# Altium PCB hv_controller.PcbDoc (part 2 of 3)
Units mil, origin at the board's own origin, x right, y up, seen from the top; angles counter-clockwise.
Board outline 9380 x 6000 mil, 2 copper layers (Top Layer, Bottom Layer); 271 components, 136 nets, 744 pads, 173 vias.
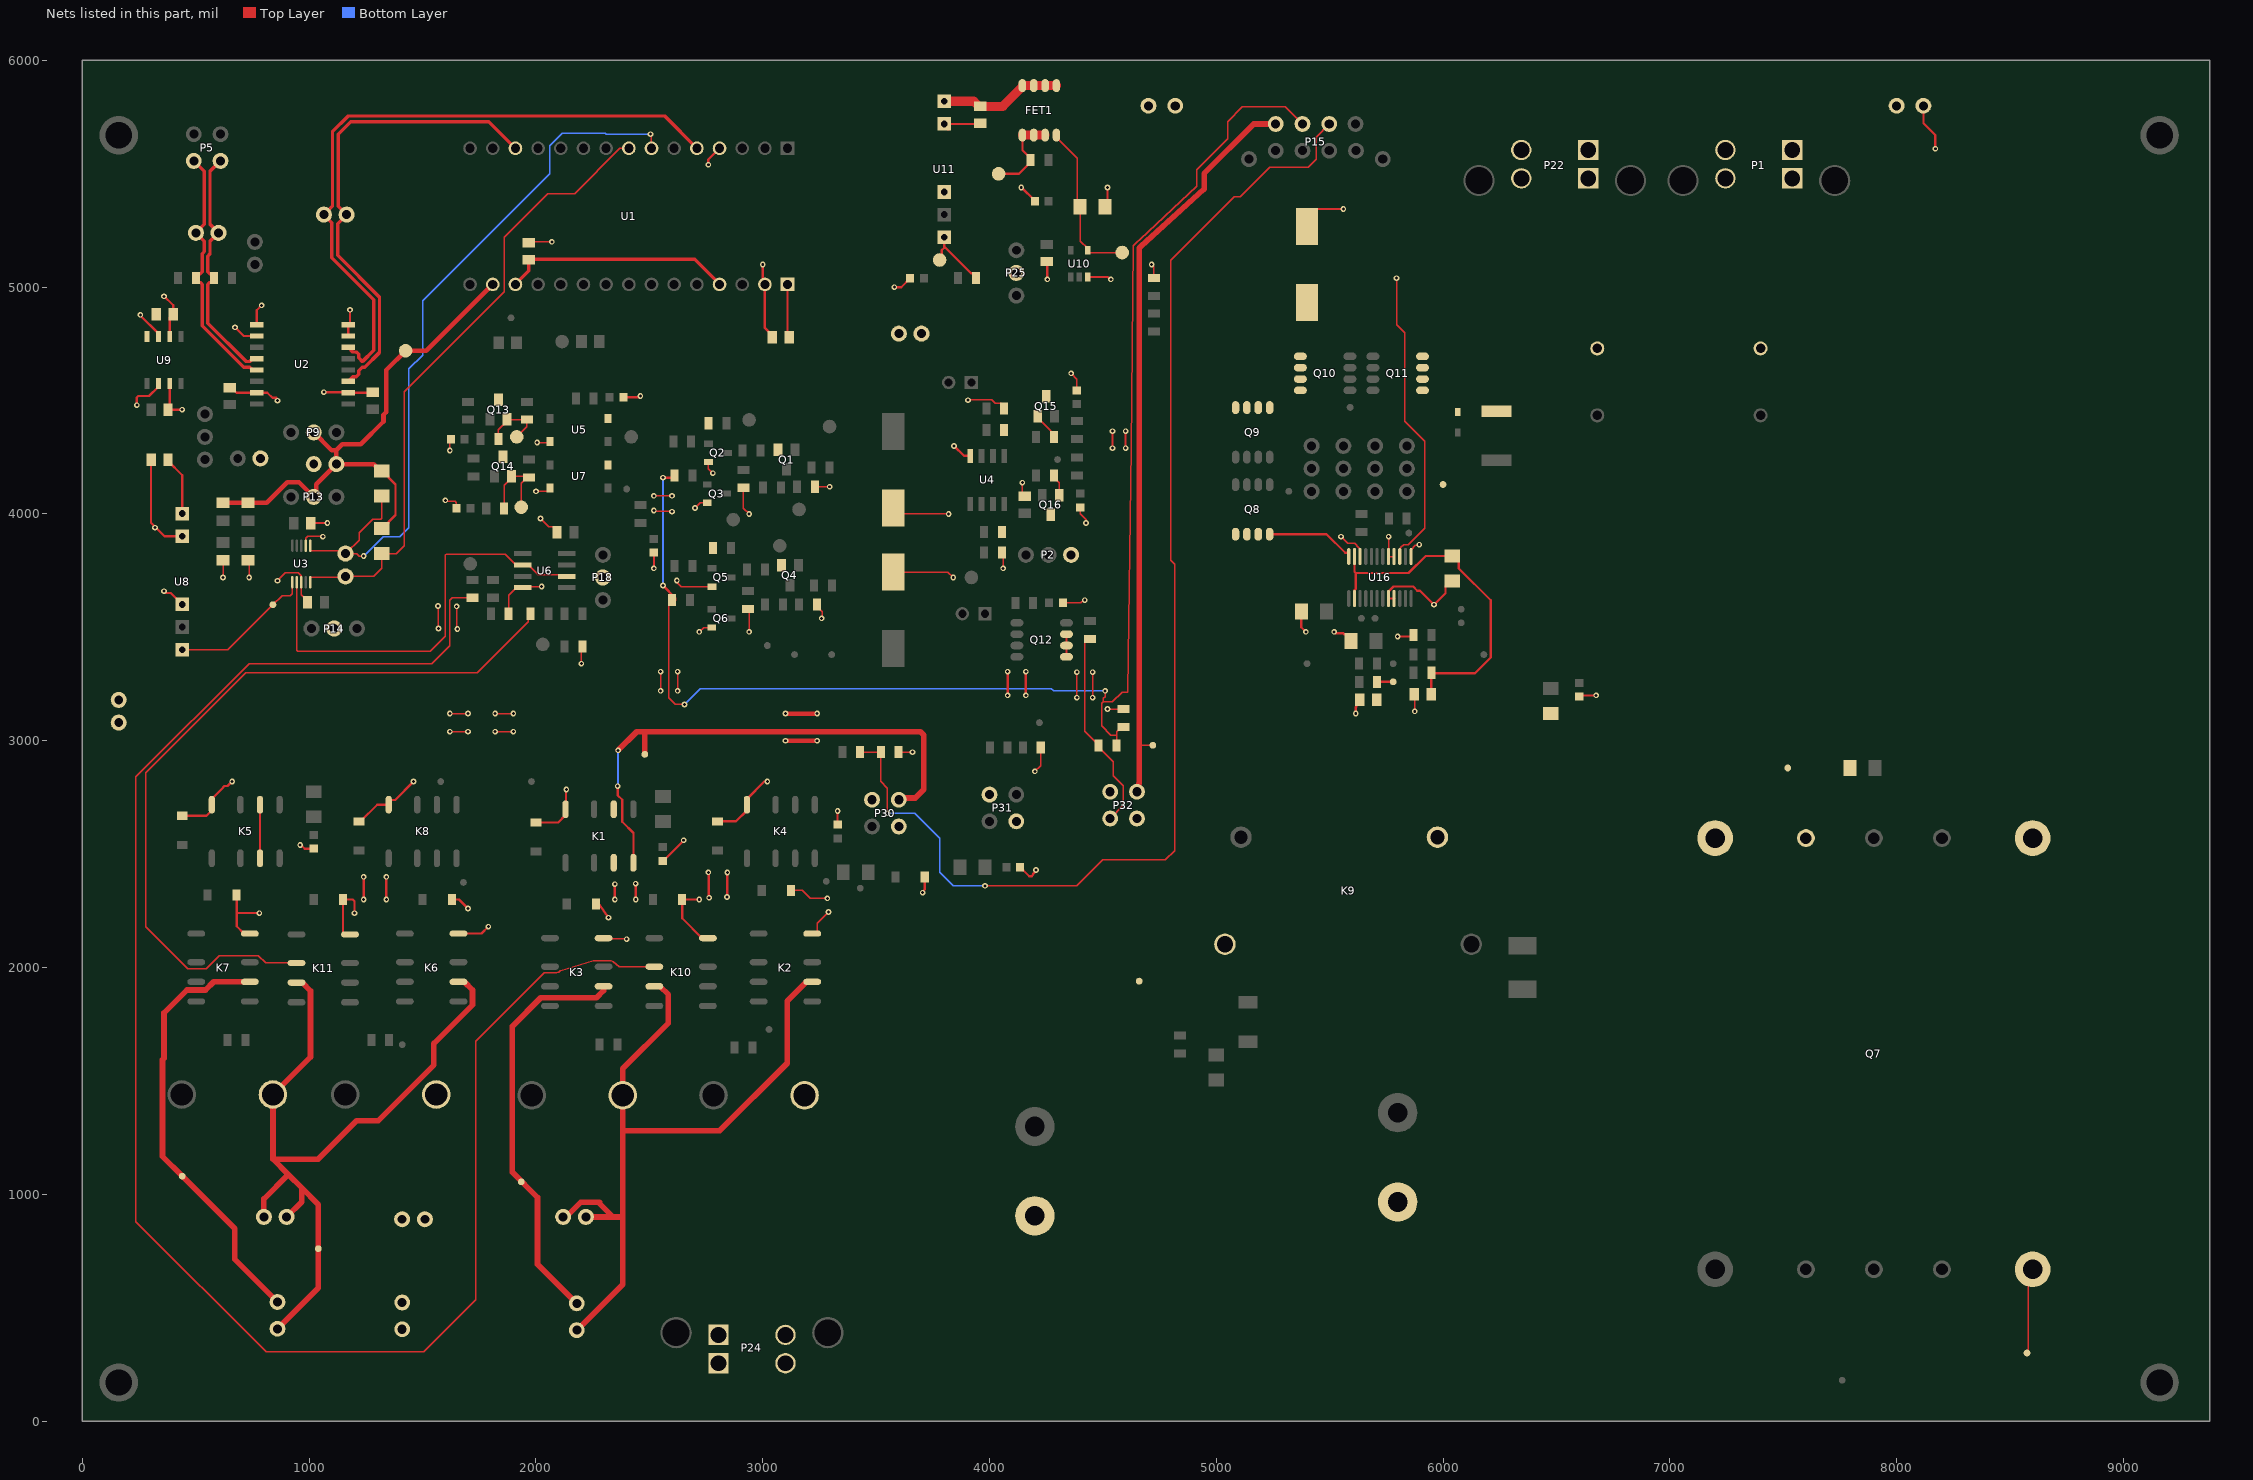
[diagram p2: the nets of this part, all layers, seen from the top]

## Part data (continued)
P5 P30 P31 P32: "Board Connector, 4 Contact(s), 2 Row(s), Male, Straight, Solder Terminal, Locking, Black Insulator, Receptacle", Contact Resistance=10mR, Flammability Rating="UL94 V-0", Insulation Color=Black, Insulation Resistance=1GR, Manufacturer=Molex, Max Operating Temperature=105°C, Min Operating Temperature=-40°C, Rated Current (Signal)=2.5A, Supplier Part Number 1=WM10667-ND, Board Mounting Option=PEG, Body Breadth=0.29inch, Body Depth=0.39inch, Body Length=0.38inch, Body/Shell Style=RECEPTACLE, Category="Headers and Wire Housings", ComponentLink1Description=https://datasheet.ciiva.com:443/pdfs/VipMasterIC/IC/MOLE/MOLE-S-A0001360181/MOLE-S-A0001399497-1.pdf?src-supplier=IHS+Markit, ComponentLink1URL=https://datasheet.ciiva.com:443/pdfs/VipMasterIC/IC/MOLE/MOLE-S-A0001360181/MOLE-S-A0001399497-1.pdf?src-supplier=IHS+Markit, ComponentLink2Description=https://datasheet.ciiva.com/5148/0430450427-pcb-headers-142988-5148953.pdf?src-supplier=Mouser, ComponentLink2URL=https://datasheet.ciiva.com/5148/0430450427-pcb-headers-142988-5148953.pdf?src-supplier=Mouser, ComponentLink3Description=https://datasheet.ciiva.com/11748/0900766b80d4a80b-11748554.pdf?src-supplier=RSComponents, ComponentLink3URL=https://datasheet.ciiva.com/11748/0900766b80d4a80b-11748554.pdf?src-supplier=RSComponents, ComponentLink4Description=https://datasheet.ciiva.com/30143/176090430450427-pcb-headers-30143652.pdf?src-supplier=Onlinecomponents.com, ComponentLink4URL=https://datasheet.ciiva.com/30143/176090430450427-pcb-headers-30143652.pdf?src-supplier=Onlinecomponents.com, ComponentLink5Description=https://datasheet.ciiva.com/16725/0430450427-pcb-headers-16725499.pdf?src-supplier=Avnet+Europe, ComponentLink5URL=https://datasheet.ciiva.com/16725/0430450427-pcb-headers-16725499.pdf?src-supplier=Avnet+Europe, ComponentLink6Description=https://datasheet.ciiva.com/10088/0430450427-pcb-headers-10088767.pdf?src-supplier=Avnet, ComponentLink6URL=https://datasheet.ciiva.com/10088/0430450427-pcb-headers-10088767.pdf?src-supplier=Avnet, Connector Type="BOARD CONNECTOR", Contact Finish - Mating="TIN (100) OVER NICKEL", Contact Finish - Termination="TIN (100) OVER NICKEL", Contact Gender=Male, Contact Material=Brass, Contact Style="SQ PIN-SKT", DIN Conformance=No, Filter Feature=No, IEC Conformance=No, Insertion Force-Max=8.0064N, Insulation Material=Polymer, JESD-609 Code=e3, Manufacturer Part Number=43045-0427, Mating Information="MULTIPLE MATING PARTS AVAILABLE", MIL Conformance=No, Mixed Contacts=No, Mount=Board, Mounting Option 1=LOCKING, Mounting Style=STRAIGHT, Number Of Connectors=1, Number of Contacts=4, Number of Rows Loaded=2, Option="General Purpose", Plating Thickness=6uin, Pricing 1="1=1.45000, 10=1.23200, 80=1.01750, 2232=0.77647, 4464=0.74970 (USD)", REACH SVHC=Yes, Reference Standard=UL, Reliability=COMMERCIAL, RoHS=Yes, RoHS Compliant=Yes, Stock 1=18088, Supplier 1=Digi-Key, Terminal Length=0.125inch, Terminal Pitch=3mm, Termination=Solder, Throw Configuration=S0P4, Withdrawl Force-Min=3.5584N
P15: library part CMP-002-00093-1, "CONN HEADER VERT 8POS 3MM", Color=Black, Contact Resistance=10mR, Manufacturer=Molex, Max Operating Temperature=105°C, Min Operating Temperature=-40°C, Package Quantity=1440, Voltage Rating=250V, ComponentLink1Description=http://www.molex.com/pdm_docs/sd/430450827_sd.pdf?src-supplier=Digi-Key, ComponentLink1URL=http://www.molex.com/pdm_docs/sd/430450827_sd.pdf?src-supplier=Digi-Key, Connector Type="Male Pin", Contact Material=Brass, Contact Plating=Tin, Depth=8.77mm, Design Item ID=0430450827, Fastening Type=Ramp, Housing Color=Black, Housing Material=Polymer, Length=16.15mm, Manufacturer Part Number=0430450827, Mount="Through Hole", Number of Contacts=8, Number of Positions=8, Number of Rows=2, Orientation=Straight, Packaging=Tray, Pitch=3mm, Pricing 1="1=1.67, 10=1.519, 25=1.4256, 50=1.3636, 100=1.3016, 250=1.17764, 500=1.08466, 1000=0.9297, 2500=0.86772 (USD)", Row Spacing=0.118inch, Source=connector.SchLib, Stock 1=5300, Termination=Solder
P19 P35: "Header, 2-Pin", LatestRevisionDate=17-Jul-2002, LatestRevisionNote="Re-released for DXP Platform.", Publisher="Altium Limited"
P20 P21 P23: library part CMP-002-00096-1, "Board Connector, 2 Contact(s), 2 Row(s), Male, Straight, Solder Terminal, Locking, Black Insulator, Receptacle", Contact Resistance=10mR, Flammability Rating="UL94 V-0", Insulation Color=Black, Insulation Resistance=1GR, Manufacturer=Molex, Max Operating Temperature=105°C, Min Operating Temperature=-40°C, Rated Current (Signal)=2.5A, Board Mounting Option=PEG, Body Breadth=0.29inch, Body Depth=0.39inch, Body Length=0.262inch, Body/Shell Style=RECEPTACLE, Category="Headers and Wire Housings", ComponentLink1Description=https://datasheet.ciiva.com:443/pdfs/VipMasterIC/IC/MOLE/MOLE-S-A0001360181/MOLE-S-A0001399497-1.pdf?src-supplier=IHS+Markit, ComponentLink1URL=https://datasheet.ciiva.com:443/pdfs/VipMasterIC/IC/MOLE/MOLE-S-A0001360181/MOLE-S-A0001399497-1.pdf?src-supplier=IHS+Markit, ComponentLink2Description=https://datasheet.ciiva.com/5148/0430450227-pcb-headers-142611-5148694.pdf?src-supplier=Mouser, ComponentLink2URL=https://datasheet.ciiva.com/5148/0430450227-pcb-headers-142611-5148694.pdf?src-supplier=Mouser, ComponentLink3Description=https://datasheet.ciiva.com/16103/307170430450227-pcb-headers-16103122.pdf?src-supplier=Onlinecomponents.com, ComponentLink3URL=https://datasheet.ciiva.com/16103/307170430450227-pcb-headers-16103122.pdf?src-supplier=Onlinecomponents.com, ComponentLink4Description=https://datasheet.ciiva.com/11752/0900766b80d4a80b-11752890.pdf?src-supplier=RSComponents, ComponentLink4URL=https://datasheet.ciiva.com/11752/0900766b80d4a80b-11752890.pdf?src-supplier=RSComponents, ComponentLink5Description=https://datasheet.ciiva.com/30256/212010430450227-pcb-headers-30256881.pdf?src-supplier=Onlinecomponents.com, ComponentLink5URL=https://datasheet.ciiva.com/30256/212010430450227-pcb-headers-30256881.pdf?src-supplier=Onlinecomponents.com, ComponentLink6Description=https://datasheet.ciiva.com/16725/0430450227-pcb-headers-16725483.pdf?src-supplier=Avnet+Europe, ComponentLink6URL=https://datasheet.ciiva.com/16725/0430450227-pcb-headers-16725483.pdf?src-supplier=Avnet+Europe, ComponentLink7Description=https://datasheet.ciiva.com/10089/0430450227-pcb-headers-10089453.pdf?src-supplier=Avnet, ComponentLink7URL=https://datasheet.ciiva.com/10089/0430450227-pcb-headers-10089453.pdf?src-supplier=Avnet, Connector Type="BOARD CONNECTOR", Contact Finish - Mating="TIN (100) OVER NICKEL", Contact Finish - Termination="TIN (100) OVER NICKEL", Contact Gender=Male, Contact Material=Brass, Contact Style="SQ PIN-SKT", Design Item ID=43045-0227, DIN Conformance=No, Filter Feature=No, IEC Conformance=No, Insertion Force-Max=8.0064N, Insulation Material=Polymer, JESD-609 Code=e3, Manufacturer Part Number=43045-0227, Mating Information="MULTIPLE MATING PARTS AVAILABLE", MIL Conformance=No, Mixed Contacts=No, Mount=Board, Mounting Option 1=LOCKING, Mounting Style=STRAIGHT, Number Of Connectors=1, Number of Contacts=2, Number of Rows Loaded=2, Option="General Purpose", Plating Thickness=6uin, Pricing 1="1=0.97000, 10=0.80600, 80=0.67200, 945=0.53760, 2400=0.48720 (USD)", REACH SVHC=Yes, Reference Standard=UL, Reliability=COMMERCIAL, RoHS=Yes, RoHS Compliant=Yes, Source=connector.SchLib, Stock 1=12970, Terminal Length=0.125inch, Terminal Pitch=3mm, Termination=Solder, Throw Configuration=S0P2, Withdrawl Force-Min=3.5584N
Q1 Q4: library part CMP-013-00008-2, "PNP General-Purpose Amplifier, 40 V, 0.2 A, -55 to 150 degC, 3-Pin SOT23, RoHS, Tape and Reel", Case/Package=TO-236-3, Frequency=250MHz, Manufacturer=Fairchild, Max Operating Temperature=150°C, Min Operating Temperature=-55°C, Package Description="3-Pin Small Outline Transistor, Body 2.92 x 1.325 mm, Pitch 0.95 mm", Package Quantity=3000, Package Reference=SOT23-3, Package Version="Rev. 12, 03/2016", Power=350mW, Datasheet URL=https://www.fairchildsemi.com/datasheets/MM/MMBT3906.pdf, Datasheet Version="Rev. 1.2.2, 04/2014", Elements=1, hFE Min=100, Mounting Technology=SM, Packaging=TapeandReel, Pins=3, RoHS Compliant=True, Vce Max=400mV
Q2 Q3 Q5 Q6: library part CMP-040-000001-1, "Small Signal Bipolar Transistor, 0.5A I(C), 45V V(BR)CEO, 1-Element, NPN, Silicon", Collector-base Capacitance-Max=4.5pF, Collector-emitter Voltage-Max=45V, DC Current Gain-Min (hFE)=100, Manufacturer="ON Semiconductor / Fairchild", Max Collector Current=500mA, Max Operating Temperature=150°C, Package Body Material=Plastic, Package Shape=Rectangular, Package Style="SMALL OUTLINEMeter", Power Dissipation-Max (Abs)=350mW, Transition Frequency-Nom (fT)=250MHz, Category=BJTs, ComponentLink1Description=https://datasheet.ciiva.com:443/pdfs/VipMasterIC/IC/ONSM/ONSM-S-A0003589371/ONSM-S-A0003589371-1.pdf?src-supplier=IHS+Markit, ComponentLink1URL=https://datasheet.ciiva.com:443/pdfs/VipMasterIC/IC/ONSM/ONSM-S-A0003589371/ONSM-S-A0003589371-1.pdf?src-supplier=IHS+Markit, ComponentLink2Description=https://datasheet.ciiva.com/4721/mmbt100-196018-4721422.pdf?src-supplier=Mouser, ComponentLink2URL=https://datasheet.ciiva.com/4721/mmbt100-196018-4721422.pdf?src-supplier=Mouser, ComponentLink3Description=https://datasheet.ciiva.com/11206/pn100a-11206125.pdf?src-supplier=Avnet, ComponentLink3URL=https://datasheet.ciiva.com/11206/pn100a-11206125.pdf?src-supplier=Avnet, ComponentLink4Description=https://datasheet.ciiva.com/26114/pn100a-26114236.pdf?src-supplier=Avnet+Europe, ComponentLink4URL=https://datasheet.ciiva.com/26114/pn100a-26114236.pdf?src-supplier=Avnet+Europe, ComponentLink5Description=https://datasheet.ciiva.com/11198/pn100a-11198959.pdf?src-supplier=Avnet, ComponentLink5URL=https://datasheet.ciiva.com/11198/pn100a-11198959.pdf?src-supplier=Avnet, ComponentLink6Description=https://datasheet.ciiva.com/6361/mmbt100-6361016.pdf?src-supplier=Digi-Key, ComponentLink6URL=https://datasheet.ciiva.com/6361/mmbt100-6361016.pdf?src-supplier=Digi-Key, ComponentLink7Description=https://datasheet.ciiva.com/6356/mmbt100-6356120.pdf?src-supplier=Digi-Key, ComponentLink7URL=https://datasheet.ciiva.com/6356/mmbt100-6356120.pdf?src-supplier=Digi-Key, ComponentLink8Description=https://datasheet.ciiva.com/6361/mmbt100-6361014.pdf?src-supplier=Digi-Key, ComponentLink8URL=https://datasheet.ciiva.com/6361/mmbt100-6361014.pdf?src-supplier=Digi-Key, Design Item ID=MMBT100, JESD-30 Code=R-PDSO-G3, Manufacturer Part Number=MMBT100, Moisture Sensitivity Level=1, Number of Elements=1, Number of Pins=3, Polarity/Channel Type=NPN, Pricing 1="1=0.35700, 5=0.35700, 10=0.24700, 100=0.10500 (USD)", Qualification Status="Not Qualified", REACH SVHC=Yes, RoHS=Yes, RoHS Compliant=Yes, Source=misc.SchLib, Stock 1=66397, Surface Mount=Yes, Terminal Form="Gull Wing", Terminal Position=DUAL, Transistor Application=AMPLIFIER, Transistor Element Material=SILICON, VCEsat-Max=200mV
Q7: "DC DC CONVERTER 12V 200W", Manufacturer=Recom, Manufacturer Part Number=RPA200H-11012SRUW/P, Supplier Part Number 1=919-RPA200H11012SRUP, Analog IC - Other Type="DC-DC REGULATED POWER SUPPLY MODULE", Category="Board Mount Modules", ComponentLink1Description=https://datasheet.ciiva.com:443/pdfs/VipMasterIC/IC/RECG/RECG-S-A0009169714/RECG-S-A0009169714-1.pdf?src-supplier=IHS+Markit, ComponentLink1URL=https://datasheet.ciiva.com:443/pdfs/VipMasterIC/IC/RECG/RECG-S-A0009169714/RECG-S-A0009169714-1.pdf?src-supplier=IHS+Markit, ComponentLink2Description=https://www.recom-power.com/pdf/Powerline_DC-DC/RPA200H-RUW.pdf?src-supplier=Digi-Key, ComponentLink2URL=https://www.recom-power.com/pdf/Powerline_DC-DC/RPA200H-RUW.pdf?src-supplier=Digi-Key, Pricing 1="1=233.71000, 10=229.93000, 50=229.93000, 100=229.93000, 1000=229.93000, 10000=229.93000 (USD)", REACH SVHC=Yes, RoHS=Yes, RoHS Compliant=Yes, Stock 1=1, Supplier 1=Mouser
Q8 Q9 Q10 Q11 Q12: library part CMP-008-000012-4, "Transistor MOSFET P-Channel -60V ±11A 8-Pin SOP T/R", Transistor Type="P-channel MOSFET"
  Q9 Q10: __ORIG_LIFECYCLESTATEGUID__=706004B5-C76E-482E-903B-BA0E4FAE086A
Q13 Q14 Q15 Q16: library part CMP-013-00021-4, "N-Channel Logic Level Enhancement Mode Field Effect Transistor, 220 mA, 50 V, -55 to 150 degC, 3-Pin SOT-23, RoHS, Tape and Reel", Case/Package=TO-236-3, Input Capacitance=27pF, Manufacturer=Fairchild, Max Operating Temperature=150°C, Min Operating Temperature=-55°C, Nominal Dual Supply Voltage=50V, Package Description="3-Pin Small Outline Transistor, Body 2.92 x 1.325 mm, Pitch 0.95 mm", Package Quantity=1, Package Reference=SOT23-3, Package Version="Rev. 12, 03/2016", Power=360mW, Resistance=0.7Ohm, Datasheet URL=https://www.fairchildsemi.com/datasheets/BS/BSS138.pdf, Datasheet Version="Rev. C, 10/2005", Elements=1, Mounting Technology=SM, Nominal Vgs=1.3V, Packaging=TapeandReel, Pins=3, Rds On Max=3.5Ohm, RoHS Compliant=True, Typical Rise Time=9ns
R1 R4: library part CMP-009-01480-1, "RES SMD 60.4 OHM 1% 1/8W 0805", Digi-Key Part Number=P60.4CCT-ND, Manufacturer="Panasonic Electronic Components", Operating Temperature="-55°C ~ 155°C", Package / Case="0805 (2012 Metric)", Power (Watts)="0.125W, 1/8W", Supplier Device Package=0805, Temperature Coefficient=±100ppm/°C, Tolerance=1%, @ qty=1500, Composition="Thick Film", Datasheets=http://industrial.panasonic.com/www-cgi/jvcr13pz.cgi?E+PZ+3+AOA0002+ERJ6ENF60R4V+7+WW, Design Item ID=ERJ-6ENF60R4V, Factory Stock=0, Failure Rate=-, Features="Automotive AEC-Q200", Height - Seated (Max)="0.028\" (0.70mm)", Image=//media.digikey.com/Renders/Panasonic%20Renders/ERJ-0805%20Pkg.jpg, Minimum Quantity=1, Number of Terminations=2, Packaging="Cut Tape (CT)", Part Number=ERJ-6ENF60R4V, Part Status=Active, Quantity Available=57422, Series=ERJ, Size / Dimension="0.079\" L x 0.049\" W (2.00mm x 1.25mm)", Source=resistors.SchLib, Unit Price (USD)=0.00729
R2 R37: library part CMP-009-01342-1, "RES SMD 3.6K OHM 1% 1/8W 0805", Digi-Key Part Number=P3.60KCCT-ND, Manufacturer="Panasonic Electronic Components", Operating Temperature="-55°C ~ 155°C", Package / Case="0805 (2012 Metric)", Power (Watts)="0.125W, 1/8W", Supplier Device Package=0805, Temperature Coefficient=±100ppm/°C, Tolerance=1%, @ qty=1500, Composition="Thick Film", Datasheets=http://industrial.panasonic.com/www-cgi/jvcr13pz.cgi?E+PZ+3+AOA0002+ERJ6ENF3601V+7+WW, Design Item ID=ERJ-6ENF3601V, Factory Stock=0, Failure Rate=-, Features="Automotive AEC-Q200", Height - Seated (Max)="0.028\" (0.70mm)", Image=//media.digikey.com/Renders/Panasonic%20Renders/ERJ-0805%20Pkg.jpg, Minimum Quantity=1, Number of Terminations=2, Packaging="Cut Tape (CT)", Part Number=ERJ-6ENF3601V, Part Status=Active, Quantity Available=32253, Series=ERJ, Size / Dimension="0.079\" L x 0.049\" W (2.00mm x 1.25mm)", Source=resistors.SchLib, Unit Price (USD)=0.00729
R3 R15 R25 R26: library part ERJ-6ENF6651V, "RES SMD 6.65K OHM 1% 1/8W 0805", Digi-Key Part Number=P6.65KCCT-ND, Manufacturer="Panasonic Electronic Components", Operating Temperature="-55°C ~ 155°C", Package / Case="0805 (2012 Metric)", Power (Watts)="0.125W, 1/8W", Supplier Device Package=0805, Temperature Coefficient=±100ppm/°C, Tolerance=±1%, @ qty=1500, Composition="Thick Film", Datasheets=http://industrial.panasonic.com/www-cgi/jvcr13pz.cgi?E+PZ+3+AOA0002+ERJ6ENF6651V+7+WW, Factory Stock=0, Failure Rate=-, Features="Automotive AEC-Q200", Height - Seated (Max)="0.028\" (0.70mm)", Image=//media.digikey.com/Renders/Panasonic%20Renders/ERJ-0805%20Pkg.jpg, Minimum Quantity=1, Number of Terminations=2, Packaging="Cut Tape (CT)", Part Number=ERJ-6ENF6651V, Part Status=Active, Quantity Available=36879, Series=ERJ, Size / Dimension="0.079\" L x 0.049\" W (2.00mm x 1.25mm)", Unit Price (USD)=0.00729
R5 R6 R46: library part ERJ-6ENF2551V, "RES SMD 2.55K OHM 1% 1/8W 0805", Digi-Key Part Number=P2.55KCCT-ND, Manufacturer="Panasonic Electronic Components", Operating Temperature="-55°C ~ 155°C", Package / Case="0805 (2012 Metric)", Power (Watts)="0.125W, 1/8W", Supplier Device Package=0805, Temperature Coefficient=±100ppm/°C, Tolerance=±1%, @ qty=1500, Composition="Thick Film", Datasheets=http://industrial.panasonic.com/www-cgi/jvcr13pz.cgi?E+PZ+3+AOA0002+ERJ6ENF2551V+7+WW, Factory Stock=0, Failure Rate=-, Features="Automotive AEC-Q200", Height - Seated (Max)="0.028\" (0.70mm)", Image=//media.digikey.com/Renders/Panasonic%20Renders/ERJ-0805%20Pkg.jpg, Minimum Quantity=1, Number of Terminations=2, Packaging="Cut Tape (CT)", Part Number=ERJ-6ENF2551V, Part Status=Active, Quantity Available=10942, Series=ERJ, Size / Dimension="0.079\" L x 0.049\" W (2.00mm x 1.25mm)", Unit Price (USD)=0.00729
R7 R8 R16 R18 R29 R35 R36 R39 R40 R44 R55 R56 R59 R63 R67: library part CMP-009-02659-1, "RES SMD 1K OHM 1% 1/2W 0805", Digi-Key Part Number=P16058CT-ND, Manufacturer="Panasonic Electronic Components", Operating Temperature="-55°C ~ 155°C", Package / Case="0805 (2012 Metric)", Power (Watts)="0.5W, 1/2W", Supplier Device Package=0805, Temperature Coefficient=±100ppm/°C, Tolerance=1%, @ qty=1500, Composition="Thick Film", Datasheets=https://industrial.panasonic.com/cdbs/www-data/pdf/RDA0000/AOA0000C243.pdf, Design Item ID=ERJ-P06F1001V, Factory Stock=0, Failure Rate=-, Features="Automotive AEC-Q200, Pulse Withstanding", Image=//media.digikey.com/Renders/Panasonic%20Renders/ERJ-0805%20Pkg.jpg, Minimum Quantity=1, Number of Terminations=2, Packaging="Cut Tape (CT)", Part Number=ERJ-P06F1001V, Part Status=Active, Quantity Available=161264, Series=ERJ, Source=resistors.SchLib, Unit Price (USD)=0.02534
  R7 R8 R16 R35 R36 R39 R40 R44 R55 R56 R59 R63 R67: Height - Seated (Max)="0.028\" (0.70mm)", Size / Dimension="0.079\" L x 0.049\" W (2.00mm x 1.25mm)"
R9 R10 R13 R14 R42 R45: library part CMP-009-00007-5, "Chip Resistor, 0 Ohm, 0.125 W, -55 to 155 degC, 0805 (2012 Metric)", Case/Package=0805, Max Operating Temperature=155°C, Min Operating Temperature=-55°C, Power=125mW, Tolerance=5%, Voltage Rating=50V, Mounting Technology=SM, Pins=2, RoHS Compliant=True
R11 R12: library part CMP-009-00681-1, "RES SMD 10K OHM 5% 2/3W 1206", Digi-Key Part Number=P10KALCT-ND, Manufacturer="Panasonic Electronic Components", Operating Temperature="-55°C ~ 155°C", Package / Case="1206 (3216 Metric)", Power (Watts)="0.667W, 2/3W", Supplier Device Package=1206, Temperature Coefficient=±200ppm/°C, Tolerance=5%, @ qty=1500, Composition="Thick Film", Datasheets=https://industrial.panasonic.com/cdbs/www-data/pdf/RDA0000/AOA0000C243.pdf, Design Item ID=ERJ-P08J103V, Factory Stock=0, Failure Rate=-, Features="Automotive AEC-Q200, Pulse Withstanding", Image=//media.digikey.com/Renders/Panasonic%20Renders/ERJ-1206%20Pkg.jpg, Minimum Quantity=1, Number of Terminations=2, Packaging="Cut Tape (CT)", Part Number=ERJ-P08J103V, Part Status=Active, Quantity Available=46069, Series=ERJ, Source=resistors.SchLib, Unit Price (USD)=0.02178
R17 R19 R22 R28 R30 R33: library part CMP-009-01751-1, "RES SMD 7.5K OHM 5% 1/8W 0805", Digi-Key Part Number=P7.5KACT-ND, Manufacturer="Panasonic Electronic Components", Operating Temperature="-55°C ~ 155°C", Package / Case="0805 (2012 Metric)", Power (Watts)="0.125W, 1/8W", Supplier Device Package=0805, Temperature Coefficient=±200ppm/°C, Tolerance=5%, @ qty=1500, Composition="Thick Film", Datasheets=http://industrial.panasonic.com/www-cgi/jvcr13pz.cgi?E+PZ+3+AOA0001+ERJ6GEYJ752V+7+WW, Design Item ID=ERJ-6GEYJ752V, Factory Stock=0, Failure Rate=-, Features="Automotive AEC-Q200", Image=//media.digikey.com/Renders/Panasonic%20Renders/ERJ-0805%20Pkg.jpg, Minimum Quantity=1, Number of Terminations=2, Packaging="Cut Tape (CT)", Part Number=ERJ-6GEYJ752V, Part Status=Active, Quantity Available=39543, Series=ERJ, Source=resistors.SchLib, Unit Price (USD)=0.00496
R20 R21 R95 R96: library part ERJ-6GEYJ100V, "RES SMD 10 OHM 5% 1/8W 0805", Digi-Key Part Number=P10ACT-ND, Manufacturer="Panasonic Electronic Components", Operating Temperature="-55°C ~ 155°C", Package / Case="0805 (2012 Metric)", Power (Watts)="0.125W, 1/8W", Supplier Device Package=0805, Temperature Coefficient=±200ppm/°C, Tolerance=±5%, @ qty=1500, Composition="Thick Film", Datasheets=http://industrial.panasonic.com/www-cgi/jvcr13pz.cgi?E+PZ+3+AOA0001+ERJ6GEYJ100V+7+WW, Factory Stock=0, Failure Rate=-, Features="Automotive AEC-Q200", Height - Seated (Max)="0.028\" (0.70mm)", Image=//media.digikey.com/Renders/Panasonic%20Renders/ERJ-0805%20Pkg.jpg, Minimum Quantity=1, Number of Terminations=2, Packaging="Cut Tape (CT)", Part Number=ERJ-6GEYJ100V, Part Status=Active, Quantity Available=282033, Series=ERJ, Size / Dimension="0.079\" L x 0.049\" W (2.00mm x 1.25mm)", Unit Price (USD)=0.00496
R23 R24 R31 R32 R41 R47 R61 R66 R68: library part CMP-009-00645-1, "RES SMD 510 OHM 5% 1/2W 0805", Digi-Key Part Number=P510ADCT-ND, Manufacturer="Panasonic Electronic Components", Operating Temperature="-55°C ~ 155°C", Package / Case="0805 (2012 Metric)", Power (Watts)="0.5W, 1/2W", Supplier Device Package=0805, Temperature Coefficient=±200ppm/°C, Tolerance=5%, @ qty=1500, Composition="Thick Film", Datasheets=https://industrial.panasonic.com/cdbs/www-data/pdf/RDA0000/AOA0000C243.pdf, Design Item ID=ERJ-P06J511V, Factory Stock=0, Failure Rate=-, Features="Automotive AEC-Q200, Pulse Withstanding", Height - Seated (Max)="0.028\" (0.70mm)", Image=//media.digikey.com/Renders/Panasonic%20Renders/ERJ-0805%20Pkg.jpg, Minimum Quantity=1, Number of Terminations=2, Packaging="Cut Tape (CT)", Part Number=ERJ-P06J511V, Part Status=Active, Quantity Available=54515, Series=ERJ, Size / Dimension="0.079\" L x 0.049\" W (2.00mm x 1.25mm)", Source=resistors.SchLib, Unit Price (USD)=0.01839
R27: library part CMP-009-01413-1, "RES SMD 47K OHM 1% 1/8W 0805", Digi-Key Part Number=P47.0KCCT-ND, Manufacturer="Panasonic Electronic Components", Operating Temperature="-55°C ~ 155°C", Package / Case="0805 (2012 Metric)", Power (Watts)="0.125W, 1/8W", Supplier Device Package=0805, Temperature Coefficient=±100ppm/°C, Tolerance=1%, @ qty=1500, Composition="Thick Film", Datasheets=http://industrial.panasonic.com/www-cgi/jvcr13pz.cgi?E+PZ+3+AOA0002+ERJ6ENF4702V+7+WW, Design Item ID=ERJ-6ENF4702V, Factory Stock=0, Failure Rate=-, Features="Automotive AEC-Q200", Image=//media.digikey.com/Renders/Panasonic%20Renders/ERJ-0805%20Pkg.jpg, Minimum Quantity=1, Number of Terminations=2, Packaging="Cut Tape (CT)", Part Number=ERJ-6ENF4702V, Part Status=Active, Quantity Available=256410, Series=ERJ, Source=resistors.SchLib, Unit Price (USD)=0.00729
R34: library part CMP-009-02795-1, "Fixed Resistor, Metal Glaze/thick Film, 1W, 5.6ohm, 200V, 5% +/-Tol, 400ppm/Cel, Surface Mount, 2512", Max Operating Temperature=155°C, Min Operating Temperature=-55°C, Tolerance=5%, RoHS Compliant=Yes
R38 R43 R58 R62: library part CMP-009-01343-1, "RES SMD 36K OHM 1% 1/8W 0805", Digi-Key Part Number=P36.0KCCT-ND, Manufacturer="Panasonic Electronic Components", Operating Temperature="-55°C ~ 155°C", Package / Case="0805 (2012 Metric)", Power (Watts)="0.125W, 1/8W", Supplier Device Package=0805, Temperature Coefficient=±100ppm/°C, Tolerance=1%, @ qty=1500, Composition="Thick Film", Datasheets=http://industrial.panasonic.com/www-cgi/jvcr13pz.cgi?E+PZ+3+AOA0002+ERJ6ENF3602V+7+WW, Design Item ID=ERJ-6ENF3602V, Factory Stock=0, Failure Rate=-, Features="Automotive AEC-Q200", Height - Seated (Max)="0.028\" (0.70mm)", Image=//media.digikey.com/Renders/Panasonic%20Renders/ERJ-0805%20Pkg.jpg, Minimum Quantity=1, Number of Terminations=2, Packaging="Cut Tape (CT)", Part Number=ERJ-6ENF3602V, Part Status=Active, Quantity Available=42552, Series=ERJ, Size / Dimension="0.079\" L x 0.049\" W (2.00mm x 1.25mm)", Source=resistors.SchLib, Unit Price (USD)=0.00729
R48: library part CMP-009-01105-1, "RES SMD 15K OHM 1% 1/8W 0805", Digi-Key Part Number=P15.0KCCT-ND, Manufacturer="Panasonic Electronic Components", Operating Temperature="-55°C ~ 155°C", Package / Case="0805 (2012 Metric)", Power (Watts)="0.125W, 1/8W", Supplier Device Package=0805, Temperature Coefficient=±100ppm/°C, Tolerance=1%, @ qty=1500, Composition="Thick Film", Datasheets=http://industrial.panasonic.com/www-cgi/jvcr13pz.cgi?E+PZ+3+AOA0002+ERJ6ENF1502V+7+WW, Design Item ID=ERJ-6ENF1502V, Factory Stock=0, Failure Rate=-, Features="Automotive AEC-Q200", Image=//media.digikey.com/Renders/Panasonic%20Renders/ERJ-0805%20Pkg.jpg, Minimum Quantity=1, Number of Terminations=2, Packaging="Cut Tape (CT)", Part Number=ERJ-6ENF1502V, Part Status=Active, Quantity Available=222168, Series=ERJ, Source=resistors.SchLib, Unit Price (USD)=0.00729
R65: library part CMP-009-01876-1, "RES SMD 10K OHM 1% 1/4W 1206", Digi-Key Part Number=P10.0KFCT-ND, Manufacturer="Panasonic Electronic Components", Operating Temperature="-55°C ~ 155°C", Package / Case="1206 (3216 Metric)", Power (Watts)="0.25W, 1/4W", Supplier Device Package=1206, Temperature Coefficient=±100ppm/°C, Tolerance=1%, @ qty=1500, Composition="Thick Film", Datasheets=http://industrial.panasonic.com/www-cgi/jvcr13pz.cgi?E+PZ+3+AOA0002+ERJ8ENF1002V+7+WW, Design Item ID=ERJ-8ENF1002V, Factory Stock=0, Failure Rate=-, Features="Automotive AEC-Q200", Height - Seated (Max)="0.028\" (0.70mm)", Image=//media.digikey.com/Renders/Panasonic%20Renders/ERJ-1206%20Pkg.jpg, Minimum Quantity=1, Number of Terminations=2, Packaging="Cut Tape (CT)", Part Number=ERJ-8ENF1002V, Part Status=Active, Quantity Available=1108398, Series=ERJ, Size / Dimension="0.126\" L x 0.063\" W (3.20mm x 1.60mm)", Source=resistors.SchLib, Unit Price (USD)=0.00933
R69 R77 R89 R90 R94: "Fixed Resistor, Metal Glaze/thick Film, 0.25W, 510ohm, 200V, 1% +/-Tol, 100ppm/Cel, Surface Mount, 1206", Manufacturer="Stackpole Electronics", Max Operating Temperature=155°C, Min Operating Temperature=-55°C, Package Height=0.55mm, Package Length=3.2mm, Package Shape=Rectangular, Package Style=SMTMeter, Package Width=1.6mm, Rated Power Dissipation (P)=250mW, Rated Temperature=70°C, Resistance=510, Resistor Type="FIXED RESISTOR", Supplier Part Number 1=RMCF1206FT510RCT-ND, Temperature Coefficient=100ppm/°C, Tolerance=1%, Working Voltage=200V, Category="Chip SMD Resistors", ComponentLink1Description=https://datasheet.ciiva.com:443/pdfs/VipMasterIC/IC/SEIE/SEIE-S-A0009541969/SEIE-S-A0009541969-1.pdf?src-supplier=IHS+Markit, ComponentLink1URL=https://datasheet.ciiva.com:443/pdfs/VipMasterIC/IC/SEIE/SEIE-S-A0009541969/SEIE-S-A0009541969-1.pdf?src-supplier=IHS+Markit, ComponentLink2Description=http://components.arrow.com/part/dataview/40948710S9551678N1174?src-supplier=Arrow+Electronics, ComponentLink2URL=http://components.arrow.com/part/dataview/40948710S9551678N1174?src-supplier=Arrow+Electronics, ComponentLink3Description=https://www.seielect.com/Catalog/SEI-RMCF_RMCP.pdf?src-supplier=Digi-Key, ComponentLink3URL=https://www.seielect.com/Catalog/SEI-RMCF_RMCP.pdf?src-supplier=Digi-Key, ComponentLink4Description=https://www.seielect.com/catalog/SEI-Packaging.pdf?src-supplier=Digi-Key, ComponentLink4URL=https://www.seielect.com/catalog/SEI-Packaging.pdf?src-supplier=Digi-Key, ComponentLink5Description=https://www.seielect.com/catalog/SEI-RMCF_RMCP.pdf?src-supplier=Avnet, ComponentLink5URL=https://www.seielect.com/catalog/SEI-RMCF_RMCP.pdf?src-supplier=Avnet, Construction=Rectangular, JESD-609 Code=e3, Manufacturer Part Number=RMCF1206FT510R, Mount="Surface Mount", Number of Pins=2, Packaging="Tape and Reel", Pricing 1="1=0.10000, 10=0.03600, 100=0.01460, 1000=0.00655, 2500=0.00569 (USD)", REACH SVHC=Yes, Reference Standard=AEC-Q200, RoHS=Yes, RoHS Compliant=Yes, Size Code=1206, Stock 1=51, Supplier 1=Digi-Key, Technology="METAL GLAZE/THICK FILM", Terminal Finish=Nickel, Termination=Wraparound
R70 R75 R78 R83: "Fixed Resistor, 100W, 220ohm, 700V, 5% +/-Tol, 100ppm/Cel, Through Hole Mount", Manufacturer=Ohmite, Max Operating Temperature=175°C, Min Operating Temperature=-65°C, Package Shape=Rectangular, Rated Power Dissipation (P)=3.5W, Rated Temperature=25°C, Resistance=220R, Resistor Type="FIXED RESISTOR", Supplier Part Number 1=AP101220RJ-ND, Temperature Coefficient=100ppm/°C, Tolerance=5%, Working Voltage=700V, Category="Through-Hole Resistors", ComponentLink1Description=https://datasheet.ciiva.com:443/pdfs/VipMasterIC/IC/OMIT/OMIT-S-A0001298920/OMIT-S-A0001298920-1.pdf?src-supplier=IHS+Markit, ComponentLink1URL=https://datasheet.ciiva.com:443/pdfs/VipMasterIC/IC/OMIT/OMIT-S-A0001298920/OMIT-S-A0001298920-1.pdf?src-supplier=IHS+Markit, ComponentLink2Description=http://www.farnell.com/datasheets/2015590.pdf?src-supplier=Farnell, ComponentLink2URL=http://www.farnell.com/datasheets/2015590.pdf?src-supplier=Farnell, ComponentLink3Description=http://www.mouser.com/ds/2/303/acl_ap101-773331.pdf?src-supplier=Mouser, ComponentLink3URL=http://www.mouser.com/ds/2/303/acl_ap101-773331.pdf?src-supplier=Mouser, ComponentLink4Description=http://www.ohmite.com/cat/acl_ap101.pdf?src-supplier=Digi-Key, ComponentLink4URL=http://www.ohmite.com/cat/acl_ap101.pdf?src-supplier=Digi-Key, Manufacturer Part Number=AP101220RJ, Mount="Through Hole", Number of Pins=2, Pricing 1="1=6.63000, 10=6.21800, 35=5.80343, 70=5.11271, 105=4.42171, 245=4.00722, 455=3.73086, 945=3.67501 (USD)", REACH SVHC=Yes, RoHS=Yes, RoHS Compliant=Yes, Stock 1=44, Supplier 1=Digi-Key, Termination=Flat
R71 R85 R87: library part CRCW08053K46FKTA, "Fixed Resistor, Metal Glaze/thick Film, 0.125W, 3460ohm, 150V, 1% +/-Tol, 100ppm/Cel, Surface Mount, 0805", Manufacturer="Vishay Dale", Resistor Type="FIXED RESISTOR", Supplier Part Number 1=71-CRCW0805-3.46K, Category="Chip SMD Resistors", ComponentLink1Description=https://datasheet.ciiva.com:443/pdfs/VipMasterIC/IC/VISH/VISHS12541/VISHS12541-1.pdf?src-supplier=IHS+Markit, ComponentLink1URL=https://datasheet.ciiva.com:443/pdfs/VipMasterIC/IC/VISH/VISHS12541/VISHS12541-1.pdf?src-supplier=IHS+Markit, ComponentLink2Description=http://www.vishay.com/docs/20008/dcrcw.pdf?src-supplier=Digi-Key, ComponentLink2URL=http://www.vishay.com/docs/20008/dcrcw.pdf?src-supplier=Digi-Key, ComponentLink3Description=http://www.vishay.com/doc?20008?src-supplier=Mouser, ComponentLink3URL=http://www.vishay.com/doc?20008?src-supplier=Mouser, Manufacturer Part Number=CRCW08053K46FKTA, Number of Pins=2, Pricing 1="1=0.17000, 10=0.13500, 50=0.13500, 100=0.05200, 1000=0.02300, 10000=0.01900 (USD)", REACH SVHC="No SVHC", RoHS=No, RoHS Compliant=No, Stock 1=3820, Supplier 1=Mouser
R91: library part ERJ-8ENF9313V, "Fixed Resistor, Metal Glaze/thick Film, 0.5W, 470ohm, 200V, 1% +/-Tol, 100ppm/Cel, Surface Mount, 1206", Digi-Key Part Number=P931KFCT-ND, Manufacturer="Panasonic Electronic Components", Manufacturer Part Number=RCC1206470RFKEA, Operating Temperature="-55°C ~ 155°C", Package / Case="1206 (3216 Metric)", Power (Watts)="0.25W, 1/4W", Supplier Device Package=1206, Supplier Part Number 1=71-RCC1206470RFKEA, Temperature Coefficient=±100ppm/°C, Tolerance=±1%, @ qty=1500, Composition="Thick Film", Datasheets=http://industrial.panasonic.com/www-cgi/jvcr13pz.cgi?E+PZ+3+AOA0002+ERJ8ENF9313V+7+WW, Factory Stock=0, Failure Rate=-, Features="Automotive AEC-Q200", Height - Seated (Max)="0.028\" (0.70mm)", Image=//media.digikey.com/Renders/Panasonic%20Renders/ERJ-1206%20Pkg.jpg, Minimum Quantity=1, Number of Terminations=2, Packaging="Cut Tape (CT)", Part Number=ERJ-8ENF9313V, Part Status=Active, Pricing 1="1=0.32000, 10=0.27600, 50=0.27600, 100=0.10800, 250=0.10700, 1000=0.04500, 5000=0.04300, 10000=0.04300 (USD)", Quantity Available=20839, RoHS=Yes, Series=ERJ, Size / Dimension="0.126\" L x 0.063\" W (3.20mm x 1.60mm)", Stock 1=13044, Supplier 1=Mouser, Unit Price (USD)=0.00933
R92: library part HRG3216P-1000-D-T1, "Fixed Resistor, Thin Film, 1W, 100ohm, 200V, 0.5% +/-Tol, 25ppm/Cel, Surface Mount, 1206", Manufacturer=Susumu, Max Operating Temperature=155°C, Min Operating Temperature=-55°C, Package Height=0.4mm, Package Length=3.2mm, Package Style=SMTMeter, Package Width=1.6mm, Rated Power Dissipation (P)=1W, Rated Temperature=70°C, Resistor Type="FIXED RESISTOR", Supplier Part Number 1=408-1865-1-ND, Temperature Coefficient=25ppm/°C, Tolerance=0.5%, Working Voltage=200V, Additional Feature=ANTI-SULFUR, Category="Chip SMD Resistors", ComponentLink1Description=https://datasheet.ciiva.com:443/pdfs/VipMasterIC/IC/SUSU/SUSU-S-A0004582570/SUSU-S-A0004582570-1.pdf?src-supplier=IHS+Markit, ComponentLink1URL=https://datasheet.ciiva.com:443/pdfs/VipMasterIC/IC/SUSU/SUSU-S-A0004582570/SUSU-S-A0004582570-1.pdf?src-supplier=IHS+Markit, ComponentLink2Description=http://www.farnell.com/datasheets/2643250.pdf?src-supplier=Farnell, ComponentLink2URL=http://www.farnell.com/datasheets/2643250.pdf?src-supplier=Farnell, ComponentLink3Description=http://www.susumu.co.jp/common/pdf/n_catalog_partition24_en.pdf?src-supplier=Digi-Key, ComponentLink3URL=http://www.susumu.co.jp/common/pdf/n_catalog_partition24_en.pdf?src-supplier=Digi-Key, ComponentLink4Description=http://www.farnell.com/datasheets/2643250.pdf?src-supplier=Newark, ComponentLink4URL=http://www.farnell.com/datasheets/2643250.pdf?src-supplier=Newark, ComponentLink5Description=http://www.farnell.com/datasheets/2643250.pdf?src-supplier=Element14, ComponentLink5URL=http://www.farnell.com/datasheets/2643250.pdf?src-supplier=Element14, Construction=Rectangular, Manufacturer Part Number=HRG3216P-1000-D-T1, Mount="Surface Mount", Number of Pins=2, Packaging="Tape and Reel", Pricing 1="1=0.88000, 10=0.76200, 100=0.53130 (USD)", REACH SVHC=Yes, Reference Standard=AEC-Q200, Resistance=100R, RoHS=Yes, RoHS Compliant=Yes, Size Code=1206, Stock 1=24654, Supplier 1=Digi-Key, Technology="THIN FILM", Termination=Wraparound